# KiCad board boatcontrol.kicad_pcb (continued)
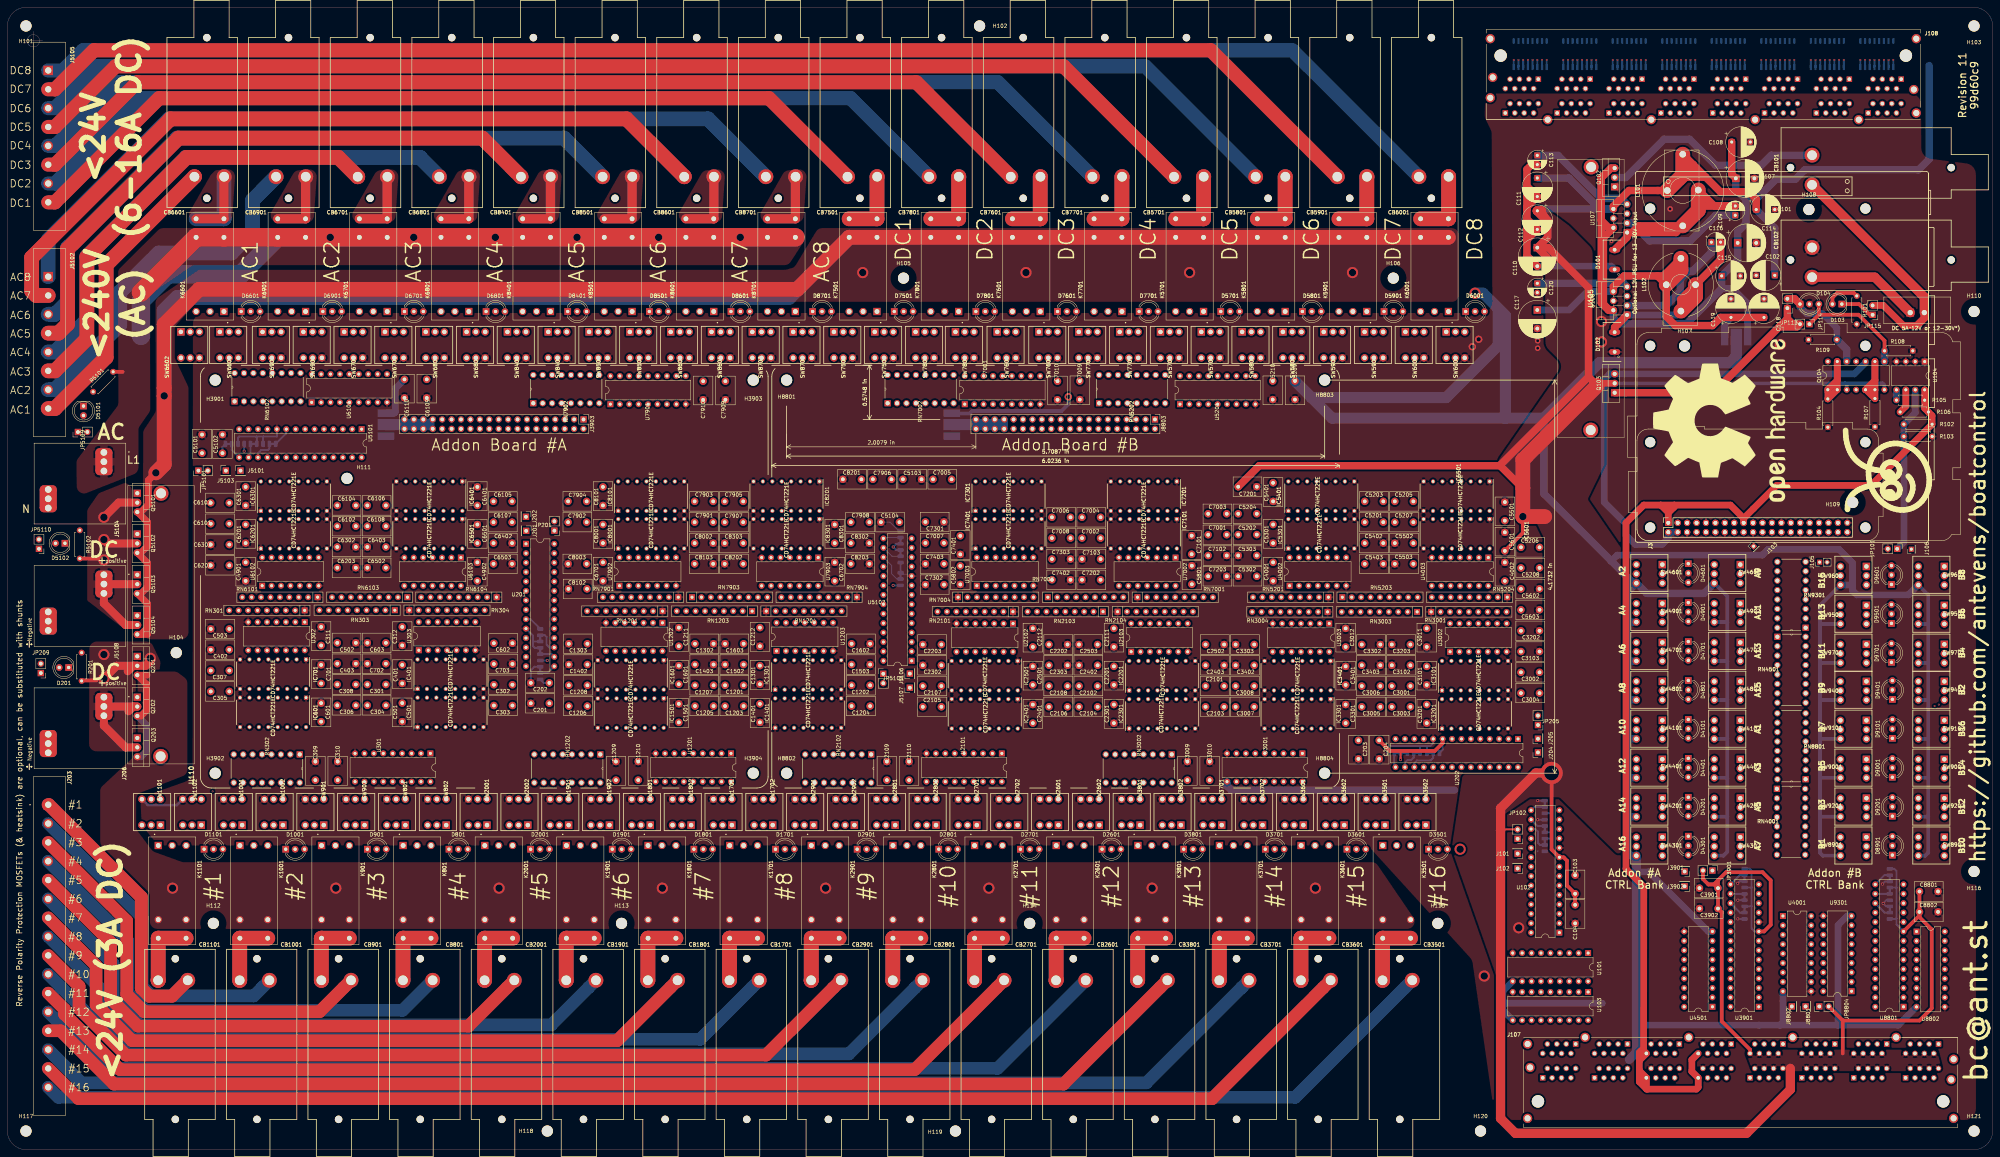
[diagram p0: board, top side]
## Routing (per net, layer and track width the routed paths; a pad name or vN(x,y) marks a point on that pad's centre or on a via; arc(x,y) is an arc through that point) (continued)
/Mixed 12V DC / 230V AC Common Bank/12V DC 6A Block/DIG_ON_C4: length 145.6
  In1.Cu w0.25: U4003.9 386.4,151.47 RN5204.9
  In2.Cu w0.25: RN5204.9 382.7,147.77 279.61,147.77 ; 279.61,147.77 279.38,147.77 ; 279.61,147.77 279.47,147.77 278.47,146.77 245.1,146.77 244.83,147.04 U5102.7
/Mixed 12V DC / 230V AC Common Bank/12V DC 6A Block/MultiVibrator6A1/MUX_OFF: length 298.7
  In1.Cu w0.25: v4(222.5,203) v4(212,192.5) ; v4(249.4,194.75) 252,194.75 253.85,192.9 264.2,192.9 264.8,193.5 264.8,195.25 265.2,195.65 267.1,195.65 267.35,195.9 267.35,197.85 268.75,199.25 312.21,199.25 313.9,200.94 313.9,201.85 314.45,202.4 317.14,202.4 U5201.2
  In2.Cu w0.25: v4(222.5,203) 223.15,203.65 228.52,203.65 233.12,199.05 245.36,199.05 248.29,196.12 248.88,196.12 249.4,195.6 v4(249.4,194.75) ; IC5301.5 354.45,161.17 354.45,159.21 353.03,157.79 343.19,157.79 341.85,156.45 339.88,156.45 338.01,158.32 322.73,158.32 320.23,155.83 317.33,155.83 316.95,156.21 305.29,156.21 305.05,155.97 299.72,155.97 298.99,156.7 260.67,156.7 258.75,154.78 246.89,154.78 245.52,156.14 245.52,165.78 243.53,167.78 243.53,170.22 239.37,174.37 230.69,174.37 227.95,177.11 227.95,181.66 224.56,185.05 219.45,185.05 v4(212,192.5)
/Mixed 12V DC / 230V AC Common Bank/12V DC 6A Block/MultiVibrator6A1/MUX_ON: length 311.4
  In1.Cu w0.25: U5201.1 314.67,201 312.42,198.75 270.5,198.75 269.9,198.15 269.9,195.85 269.7,195.65 267.81,195.65 267.35,195.19 267.35,193.2 266.55,192.4 253.64,192.4 252.04,194 v4(250,194) ; v4(221,203) v4(210.5,192.5)
  In2.Cu w0.25: v4(221,203) 222.15,204.15 228.73,204.15 228.8,204.1 233.35,199.55 245.57,199.55 248.5,196.62 249.11,196.62 250.03,195.71 250.03,194.38 250,194.35 v4(250,194) ; 352.82,170.02 352.82,166.97 356.95,162.85 356.95,159.17 355.07,157.29 343.4,157.29 342.06,155.95 339.67,155.95 337.8,157.82 322.93,157.82 320.44,155.33 317.12,155.33 316.74,155.71 305.49,155.71 305.26,155.47 299.52,155.47 298.79,156.2 260.88,156.2 258.95,154.28 246.68,154.28 245.02,155.93 245.02,165.58 243.03,167.57 243.03,170.01 239.16,173.87 230.48,173.87 227.45,176.91 227.45,181.46 224.35,184.55 218.45,184.55 v4(210.5,192.5)
/Mixed 12V DC / 230V AC Common Bank/12V DC 6A Block/MultiVibrator6A1/R1: length 46
  In1.Cu w0.25: IC5301.14 351.41,171.15 356.12,171.15 356.62,171.65 356.62,173.13 v4(357.4,173.91) ; v4(363.78,164.03) 364.22,163.59 364.22,161.36 363.79,160.93 363.03,160.93 362.47,160.37 362.47,157.66 363.53,156.6 363.53,152.79 RN5203.4
  In2.Cu w0.25: v4(363.78,164.03) 363.78,167.17 C5201.1 365.8,171.35 362.8,174.35 357.84,174.35 v4(357.4,173.91)
/Mixed 12V DC / 230V AC Common Bank/12V DC 6A Block/MultiVibrator6A1/R2: length 46.3
  In1.Cu w0.25: v4(362.9,156.3) 362.9,150.88 RN5203.3 ; v4(357.5,168.1) 357.33,167.93 350.47,167.93 349.47,166.93 337.79,166.93 C5202.1 ; 357.9,162.08 359.6,160.39 v4(359.6,156.3)
  In2.Cu w0.25: v4(357.5,168.1) 358.47,167.13 358.47,162.65 357.9,162.08 ; v4(362.9,156.3) v4(359.6,156.3)
/Mixed 12V DC / 230V AC Common Bank/12V DC 6A Block/MultiVibrator6A1/RC1: length 28
  In1.Cu w0.25: IC5301.15 349,171.28 349,172.34 349.94,173.27 355.51,173.27 v4(356.15,173.91)
  In2.Cu w0.25: v4(356.15,173.91) 357.09,174.85 363.01,174.85 368.67,169.19 C5201.2
/Mixed 12V DC / 230V AC Common Bank/12V DC 6A Block/MultiVibrator6A1/RC2: length 38
  In1.Cu w0.25: C5202.2 333.08,167.21 336.62,167.21 339.33,169.93 341.76,169.93 343.26,168.43 356.9,168.43 357.2,168.73 360.27,168.73 v4(360.8,168.2)
  In2.Cu w0.25: 360.44,162.08 360.8,162.44 v4(360.8,168.2)
/Mixed 12V DC / 230V AC Common Bank/12V DC 6A Block/MultiVibrator6A2/MUX_OFF: length 320.5
  In1.Cu w0.25: v4(219.5,203) v4(209,192.5)
  In2.Cu w0.25: v4(219.5,203) 221.15,204.65 277.49,204.65 281.94,200.2 289.69,200.2 292.37,202.87 321.75,202.87 U5201.4 ; v4(209,192.5) 217.45,184.05 224.15,184.05 226.95,181.25 226.95,176.7 230.27,173.37 238.95,173.37 242.52,169.8 242.52,156.64 243.21,155.95 244.3,155.95 246.47,153.78 259.16,153.78 261.09,155.7 298.58,155.7 299.31,154.97 305.47,154.97 305.7,155.21 316.53,155.21 316.91,154.83 320.65,154.83 323.14,157.32 337.6,157.32 339.46,155.45 342.27,155.45 343.61,156.79 355.28,156.79 356.64,158.15 359.1,158.15 359.5,158.55 359.5,160.16 359.2,160.46 359.2,167.33 357.8,168.73 357.2,168.73 356.6,169.32 356.6,171 IC5401.5
/Mixed 12V DC / 230V AC Common Bank/12V DC 6A Block/MultiVibrator6A2/MUX_ON: length 317.9
  In1.Cu w0.25: 264.4,195.65 264.37,195.62 ; 264.4,195.65 264.8,196.05 v4(264.8,197.8) ; 264.4,195.65 264.37,195.62 ; 264.37,195.62 249.23,195.62 249.03,195.43 v4(248.68,195.43) 248.65,195.4 ; v4(224,203) v4(213.5,192.5)
  In2.Cu w0.25: U5201.3 319.71,202.37 314.52,202.37 313.95,201.8 313.95,200.35 312.97,199.37 266.37,199.37 v4(264.8,197.8) ; v4(248.68,195.43) 248.28,195.43 245.15,198.55 232.91,198.55 228.51,202.95 228.5,202.95 228.46,203 v4(224,203) ; 322.93,158.83 322.94,158.82 ; 322.94,158.82 338.22,158.82 340.09,156.95 341.64,156.95 342.98,158.29 346.19,158.29 346.73,158.83 346.73,172.75 347.53,173.55 350.9,173.55 352.82,175.48 352.82,180.17 ; 322.94,158.82 319.87,158.82 319.86,158.83 318.18,158.83 316.06,156.71 305.08,156.71 304.85,156.47 ; 304.85,156.47 299.93,156.47 299.2,157.2 260.46,157.2 258.54,155.28 247.1,155.28 246.02,156.35 246.02,164.47 249.5,167.95 249.5,169.45 246.63,172.32 243.63,172.32 238.08,177.87 236.97,177.87 235.37,179.47 235.37,182.63 232.53,185.47 232.53,185.55 220.45,185.55 v4(213.5,192.5) ; 304.85,156.47 300,156.47
/Mixed 12V DC / 230V AC Common Bank/12V DC 6A Block/MultiVibrator6A2/R1: length 61.9
  In1.Cu w0.25: v4(372.35,170.98) v4(372.35,165.65)
  In2.Cu w0.25: v4(372.35,165.65) 372.35,154.15 368.5,150.3 363.64,150.3 RN5203.2 ; v4(372.35,170.98) 372.35,175.29 371.24,176.4 368.81,176.4 367.21,174.8 C5203.1 365.8,178.75 363.44,181.11 351.23,181.11 IC5401.14
/Mixed 12V DC / 230V AC Common Bank/12V DC 6A Block/MultiVibrator6A2/R2: length 55.2
  In1.Cu w0.25: 357.9,172.23 356.6,170.93 356.6,169.4 356.13,168.93 343.47,168.93 341.97,170.43 337.72,170.43 C5204.1 ; RN5203.5 368.73,150.13 366.9,150.13 364.03,153 364.03,156.81 362.97,157.87 362.97,159.51 363.38,159.92 v4(363.38,160.28)
  In2.Cu w0.25: v4(363.38,160.28) 361.92,161.73 361.92,167.62 361.93,167.62 361.93,169.93 360.76,171.1 359.04,171.1 357.9,172.23
/Mixed 12V DC / 230V AC Common Bank/12V DC 6A Block/MultiVibrator6A2/RC1: length 32.2
  In1.Cu w0.25: v4(355.07,173.9) 347.15,173.9 v4(347.05,174)
  In2.Cu w0.25: C5203.2 369.42,173.42 365.14,173.42 363.21,175.35 356.52,175.35 v4(355.07,173.9) ; v4(347.05,174) 347.75,174.69 IC5401.15
/Mixed 12V DC / 230V AC Common Bank/12V DC 6A Block/MultiVibrator6A2/RC2: length 33.9
  In1.Cu w0.25: 360.44,172.23 360.44,173.91 359.22,175.13 345.59,175.13 342.11,171.65 v4(341.4,171.65)
  In2.Cu w0.25: C5204.2 333.5,169.65 337.65,169.65 339.65,171.65 v4(341.4,171.65)
/Mixed 12V DC / 230V AC Common Bank/12V DC 6A Block/MultiVibrator6A3/MUX_OFF: length 379.4
  In1.Cu w0.25: 389.3,180.16 IC5501.5 v4(389.29,174.13) ; v4(216.5,203) v4(206,192.5)
  In2.Cu w0.25: U5201.6 325.83,203.87 289.01,203.87 288.06,204.82 278.76,204.82 277.93,205.65 219.15,205.65 v4(216.5,203) ; v4(206,192.5) 215.45,183.05 219.18,183.05 229.86,172.37 236.03,172.37 239.02,169.38 239.02,168.53 241.45,166.1 241.45,166.05 241.52,166.03 241.5,156.8 241.5,156.25 242.02,155.72 242.02,153.89 242.52,153.39 242.52,151.56 243.18,150.9 245.69,150.9 246.47,150.13 258.38,150.13 259.75,151.5 259.75,152.95 261.5,154.7 278.42,154.7 280.84,152.27 295.26,152.27 296.69,153.71 305.69,153.71 306.19,154.21 316.12,154.21 316.5,153.83 322.27,153.83 322.88,153.22 324.32,153.22 327.42,156.32 337.18,156.32 338.08,155.42 338.08,153.62 339.9,151.8 341.54,151.8 345.53,155.79 354.77,155.79 355.39,155.17 366.48,155.17 367.7,156.39 367.7,164.19 370.82,167.31 386.44,167.31 387.33,166.43 390.7,166.43 393.15,168.88 393.15,172.3 391.31,174.13 v4(389.29,174.13)
/Mixed 12V DC / 230V AC Common Bank/12V DC 6A Block/MultiVibrator6A3/MUX_ON: length 357.9
  In1.Cu w0.25: v4(207.5,192.5) v4(218,203)
  In2.Cu w0.25: IC5501.13 390.88,171.29 390.88,167.32 390.49,166.93 387.54,166.93 386.65,167.81 370.61,167.81 367.2,164.4 367.2,164.35 367.18,156.58 366.27,155.67 355.6,155.67 354.98,156.29 343.81,156.29 342.47,154.95 339.26,154.95 337.39,156.82 323.35,156.82 320.85,154.33 316.7,154.33 316.32,154.71 305.91,154.71 305.67,154.47 305.62,154.47 299.1,154.47 298.37,155.2 261.29,155.2 259.25,153.16 259.25,152.81 257.23,150.79 246.81,150.79 244.2,153.4 243.22,153.4 242.52,154.1 242.52,155.93 242.02,156.43 242.02,169.6 238.75,172.87 230.07,172.87 219.39,183.55 216.45,183.55 v4(207.5,192.5) ; U5201.5 323.79,203.37 292.16,203.37 289.49,200.7 282.15,200.7 277.7,205.15 220.15,205.15 v4(218,203)
/Mixed 12V DC / 230V AC Common Bank/12V DC 6A Block/MultiVibrator6A3/R1: length 44
  In1.Cu w0.25: C5205.1 378.9,173.39 376.78,171.26 v4(376.78,163.13)
  In2.Cu w0.25: RN5203.7 376.78,150.74 v4(376.78,163.13) ; C5205.1 391.8,174.8 IC5501.14
/Mixed 12V DC / 230V AC Common Bank/12V DC 6A Block/MultiVibrator6A3/R2: length 72.2
  In1.Cu w0.25: RN5203.6 375.28,151.78 375.28,157.88 380.63,163.23 380.63,173.7 381.65,174.72 v4(381.65,178.52) ; v4(388.45,176.75) 386.75,178.46 IC5501.6
  In2.Cu w0.25: v4(388.45,176.75) 396.9,176.75 398.5,175.15 398.5,169.16 402.58,165.08 405.22,165.08 C5206.1 ; IC5501.6 385.09,178.52 v4(381.65,178.52)
/Mixed 12V DC / 230V AC Common Bank/12V DC 6A Block/MultiVibrator6A3/RC1: length 25.8
  In2.Cu w0.25: C5205.2 375.97,176.87 385.78,176.87 387.35,175.3 393.83,175.3 396.9,172.23
/Mixed 12V DC / 230V AC Common Bank/12V DC 6A Block/MultiVibrator6A3/RC2: length 42
  In1.Cu w0.25: IC5501.7 384.2,179.37 v4(387.28,176.3)
  In2.Cu w0.25: v4(387.28,176.3) 387.53,176.05 396.89,176.05 398,174.94 398,168.96 402.38,164.58 405.02,164.58 406.52,163.07 406.52,161.68 407.18,161.02 411.52,161.02 C5206.2
/Mixed 12V DC / 230V AC Common Bank/12V DC 6A Block/MultiVibrator6A4/MUX_OFF: length 378.2
  In1.Cu w0.25: v4(385.95,166.15) 385.95,167.14 388.83,170.02 IC5601.5 ; v4(213.53,203.03) v4(203,192.5) ; v4(238.65,148.28) 238.65,148.85 237.26,150.25 237.26,165.16 v4(237.9,165.8)
  In2.Cu w0.25: U5201.8 329.91,204.87 289.43,204.87 288.48,205.82 279.17,205.82 278.35,206.65 217.15,206.65 v4(213.53,203.03) 213.5,203 ; v4(203,192.5) 213.45,182.05 218.77,182.05 229.45,171.37 235.62,171.37 237.9,169.09 v4(237.9,165.8) ; v4(385.95,166.15) 385.6,166.15 385.47,166.28 371.2,166.28 368.7,163.78 368.7,155.98 366.9,154.17 354.97,154.17 354.36,154.79 346.01,154.79 342.02,150.8 339.49,150.8 337.56,152.72 333.23,152.72 331.08,150.57 318.33,150.57 315.7,153.21 306.61,153.21 306.1,152.7 306.1,152.69 305.9,152.49 305.9,151.55 304.7,150.35 296.97,150.35 296.05,151.27 278.76,151.27 278.41,150.92 278.41,148.13 277.55,147.27 246.1,147.27 245.09,148.28 v4(238.65,148.28)
/Mixed 12V DC / 230V AC Common Bank/12V DC 6A Block/MultiVibrator6A4/MUX_ON: length 374.8
  In1.Cu w0.25: v4(215,203) v4(204.5,192.5) ; v4(238.52,166.42) 238.52,165.5 237.76,164.73 237.76,150.9 v4(238.96,149.7) ; v4(245.44,149.18) 244.68,148.41 243.19,148.41 v4(241.96,149.62)
  In2.Cu w0.25: v4(215,203) 218.15,206.15 278.14,206.15 278.96,205.32 288.27,205.32 289.22,204.37 327.87,204.37 U5201.7 ; v4(204.5,192.5) 214.45,182.55 218.97,182.55 229.65,171.87 235.83,171.87 238.52,169.18 v4(238.52,166.42) ; IC5601.13 391.82,165.2 391.1,165.93 387.12,165.93 386.24,166.81 371.03,166.81 368.2,163.99 368.2,156.19 366.69,154.67 355.18,154.67 354.57,155.29 345.73,155.29 341.74,151.3 339.69,151.3 337.77,153.22 333.02,153.22 330.87,151.07 318.54,151.07 315.91,153.71 306.4,153.71 305.9,153.21 296.9,153.21 295.47,151.77 278.5,151.77 277.91,151.18 277.91,148.61 277.08,147.78 277.08,147.77 246.85,147.77 v4(245.44,149.18) ; v4(238.96,149.7) 239.04,149.62 v4(241.96,149.62)
/Mixed 12V DC / 230V AC Common Bank/12V DC 6A Block/MultiVibrator6A4/R1: length 37.4
  In1.Cu w0.25: C5207.1 378.9,166.65 v4(380,165.55) ; v4(390.8,165.3) 391.15,165.3 IC5601.14
  In2.Cu w0.25: 380.25,165.3 v4(390.8,165.3) ; 380.25,165.3 380.28,165.27 380.28,151.7 RN5203.8 ; 380.25,165.3 v4(380,165.55)
/Mixed 12V DC / 230V AC Common Bank/12V DC 6A Block/MultiVibrator6A4/R2: length 56.3
  In1.Cu w0.25: IC5601.6 386.75,168.65 385.25,167.15 v4(385.25,164.5) ; v4(393.45,168.05) 390.4,168.05 v4(390,168.45)
  In2.Cu w0.25: C5208.1 409.23,160.52 406.97,160.52 406.02,161.47 406.02,162.86 404.81,164.08 402.17,164.08 398.2,168.05 v4(393.45,168.05) ; v4(385.25,164.5) 385.23,164.5 382.95,162.22 382.95,161.15 382.61,160.81 382.61,152.62 380.07,150.08 RN5203.9 ; v4(390,168.45) 389.52,168.93 387.84,168.93 IC5601.6
/Mixed 12V DC / 230V AC Common Bank/12V DC 6A Block/MultiVibrator6A4/RC1: length 32.6
  In1.Cu w0.25: v4(388.1,167.65) 388.1,161.75 388.9,160.95 v4(392.82,160.95)
  In2.Cu w0.25: 386.86,168.31 383.89,168.31 382.9,169.3 382.9,170.4 382.15,171.15 375.86,171.15 C5207.2 ; 386.86,168.31 386.99,168.31 387.65,167.65 v4(388.1,167.65) ; 386.86,168.31 386.89,168.31 ; 396.9,162.08 395.77,160.95 v4(392.82,160.95)
/Mixed 12V DC / 230V AC Common Bank/12V DC 6A Block/MultiVibrator6A4/RC2: length 31.2
  In1.Cu w0.25: v4(389.24,167.81) 390.05,167 v4(392.45,167)
  In2.Cu w0.25: C5208.2 407.9,158.89 405.52,161.26 405.52,162.65 404.6,163.58 401.96,163.58 398.54,167 v4(392.45,167) ; IC5601.7 385.41,168.81 387.19,168.81 387.71,168.3 388.75,168.3 v4(389.24,167.81)
/Mixed 12V DC / 230V AC Common Bank/12V DC 6A Block/OUT_C1: length 385.8
  Bottom w3.8: CB6001.P2 346.31,296.44 20.37,296.44 14.93,291 J5105.1
/Mixed 12V DC / 230V AC Common Bank/12V DC 6A Block/OUT_C2: length 365.9
  Top w3.8: CB5901.P2 324.31,296.44 23.33,296.44 12.8,285.92 J5105.2
/Mixed 12V DC / 230V AC Common Bank/12V DC 6A Block/OUT_C3: length 342.4
  Bottom w3.8: CB5801.P2 306.62,292.13 24.1,292.13 12.8,280.84 J5105.3
/Mixed 12V DC / 230V AC Common Bank/12V DC 6A Block/OUT_C4: length 322.5
  Top w3.8: CB5701.P2 284.62,292.13 29.18,292.13 12.8,275.76 J5105.4
/Mixed 12V DC / 230V AC Common Bank/12V DC 10/16A Block/10AC1/DISABLED_INDICATOR: length 12.4
  In1.Cu w1: SW7701.3 303,222.25 295.5,222.25 SW7702.3
/Mixed 12V DC / 230V AC Common Bank/12V DC 10/16A Block/10AC1/OFF: length 27.7
  In2.Cu w0.25: SW7701.4 297.04,213.5 291.45,207.91 290.38,207.91 288.29,210 277.16,210 U7001.11
/Mixed 12V DC / 230V AC Common Bank/12V DC 10/16A Block/10AC1/OFF_COIL: length 55.1
  In1.Cu w0.25: RN7002.10 253.67,210.1 255.58,210.1 256.5,209.18 256.5,208.38 258.44,206.44 270.26,206.44 272.06,208.25 272.06,209.89 273.8,211.62 283.87,211.62 291.25,219.01 SW7702.2
  In2.Cu w1: K7701.8 291.25,224.4 SW7702.2
/Mixed 12V DC / 230V AC Common Bank/12V DC 10/16A Block/10AC1/OFF_LED: length 71.6
  In1.Cu w0.25: D7701.3 308.4,224.32 308.4,213.69 305.31,210.6 285.74,210.6 284.71,209.57 283.13,209.57 279.51,205.94 272.59,205.94 271.09,204.44 258.18,204.44 RN7002.8
/Mixed 12V DC / 230V AC Common Bank/12V DC 10/16A Block/10AC1/OFF_TO_ON: length 29.5
  In1.Cu w1: SW7702.1 288.75,220.59 291.66,223.5 304.34,223.5 306.5,221.34 306.5,217.84 302.25,213.59 SW7701.5
/Mixed 12V DC / 230V AC Common Bank/12V DC 10/16A Block/10AC1/ON: length 17.5
  In2.Cu w0.25: U7001.12 274.04,208.62 277.55,212.12 287.37,212.12 SW7702.4
/Mixed 12V DC / 230V AC Common Bank/12V DC 10/16A Block/10AC1/ON_COIL: length 61.6
  In1.Cu w0.25: RN7002.9 257.94,205.94 270.47,205.94 271.97,207.44 278.88,207.44 282.56,211.12 284.07,211.12 285.05,212.1 295.26,212.1 302.25,219.09 SW7701.2
  In2.Cu w1: SW7701.2 302.25,224.1 K7701.1
/Mixed 12V DC / 230V AC Common Bank/12V DC 10/16A Block/10AC1/ON_LED: length 74
  In1.Cu w0.25: D7701.1 305,224.85 307.9,221.95 307.9,213.89 305.11,211.1 285.54,211.1 284.51,210.07 282.92,210.07 279.3,206.44 272.39,206.44 270.89,204.94 256.14,204.94 RN7002.7
/Mixed 12V DC / 230V AC Common Bank/12V DC 10/16A Block/10AC1/ON_TO_OFF: length 11.4
  In1.Cu w1: SW7702.5 298.25,220.5 SW7701.1
/Mixed 12V DC / 230V AC Common Bank/12V DC 10/16A Block/10AC1/TO_FUSE: length 37.7
  Top w2.5: 300.35,262.3 CB7701.P1
  Top w4: K7701.5 K7701.4 300.35,262.3
  Bottom w4: CB7701.P1 300.35,262.3 K7701.4 K7701.5
/Mixed 12V DC / 230V AC Common Bank/12V DC 10/16A Block/10AC2/DISABLED_INDICATOR: length 12.7
  In1.Cu w1: SW7602.3 273.5,222.25 281.25,222.25 SW7601.3
/Mixed 12V DC / 230V AC Common Bank/12V DC 10/16A Block/10AC2/OFF: length 9.3
  In2.Cu w0.25: SW7601.4 276.12,211.62 273.7,211.62 U7001.13
/Mixed 12V DC / 230V AC Common Bank/12V DC 10/16A Block/10AC2/OFF_COIL: length 33.7
  In2.Cu w0.25: SW7602.2 269.25,219.09 267.1,216.94 256.56,216.94 250.67,211.05 249.54,211.05 RN7002.12
  In2.Cu w1: SW7602.2 269.25,224.4 K7601.8
/Mixed 12V DC / 230V AC Common Bank/12V DC 10/16A Block/10AC2/OFF_LED: length 91.5
  In1.Cu w0.25: RN7002.6 254.1,205.44 270.68,205.44 272.18,206.94 279.09,206.94 282.72,210.57 284.3,210.57 285.33,211.6 304.88,211.6 307.39,214.1 307.4,214.1 307.38,214.09 307.38,221.7 304.7,224.38 289.7,224.38 D7601.3
/Mixed 12V DC / 230V AC Common Bank/12V DC 10/16A Block/10AC2/OFF_TO_ON: length 29.8
  In1.Cu w1: SW7602.1 266.75,220.59 269.66,223.5 282.59,223.5 284.75,221.34 284.75,217.75 SW7601.5
/Mixed 12V DC / 230V AC Common Bank/12V DC 10/16A Block/10AC2/ON: length 5.5
  In1.Cu w0.25: SW7602.4 266.75,210.03 U7001.14
/Mixed 12V DC / 230V AC Common Bank/12V DC 10/16A Block/10AC2/ON_COIL: length 42.6
  In2.Cu w0.25: SW7601.2 280.5,219.09 273.54,212.12 253.16,212.12 RN7002.11
  In2.Cu w1: K7601.1 280.5,223.85 SW7601.2
/Mixed 12V DC / 230V AC Common Bank/12V DC 10/16A Block/10AC2/ON_LED: length 64.8
  In1.Cu w0.25: D7601.1 283,224.85 285.63,222.22 285.63,214.09 283.66,212.12 272.47,212.12 269.52,209.18 269.52,208.06 268.41,206.94 260.48,206.94 259.36,208.06 259.36,209.04 257.8,210.6 249.84,210.6 248.71,209.47 248.71,203.78 247.38,202.45 RN7002.5
/Mixed 12V DC / 230V AC Common Bank/12V DC 10/16A Block/10AC2/ON_TO_OFF: length 11.6
  In1.Cu w1: SW7602.5 276.25,220.5 SW7601.1
/Mixed 12V DC / 230V AC Common Bank/12V DC 10/16A Block/10AC2/TO_FUSE: length 37.7
  Top w2.5: 278.35,262.3 CB7601.P1
  Top w4: K7601.5 K7601.4 278.35,262.3
  Bottom w4: K7601.5 K7601.4 278.35,262.3 CB7601.P1
/Mixed 12V DC / 230V AC Common Bank/12V DC 10/16A Block/16AC1/DISABLED_INDICATOR: length 12.2
  In1.Cu w1: SW7802.3 251.5,222.25 258.75,222.25 SW7801.3
/Mixed 12V DC / 230V AC Common Bank/12V DC 10/16A Block/16AC1/OFF: length 12.1
  In1.Cu w0.25: U7001.15 262.12,212.12 256.88,212.12 SW7801.4
/Mixed 12V DC / 230V AC Common Bank/12V DC 10/16A Block/16AC1/OFF_COIL: length 19.8
  In2.Cu w0.25: SW7802.2 247.25,219.09 242.3,214.14 RN7002.14
  In2.Cu w1: K7801.8 247.25,224.4 SW7802.2
/Mixed 12V DC / 230V AC Common Bank/12V DC 10/16A Block/16AC1/OFF_LED: length 53
  In1.Cu w0.25: D7801.3 263.25,223.17 263.25,212.82 266.8,209.28 266.8,208.06 266.18,207.44 262.52,207.44 261.9,208.06 261.9,208.99 259.77,211.12 247.82,211.12 246.17,209.47 246.17,202.59 RN7002.4
/Mixed 12V DC / 230V AC Common Bank/12V DC 10/16A Block/16AC1/OFF_TO_ON: length 29.3
  In1.Cu w1: SW7802.1 244.75,220.59 247.66,223.5 260.09,223.5 262.25,221.34 262.25,217.75 SW7801.5
/Mixed 12V DC / 230V AC Common Bank/12V DC 10/16A Block/16AC1/ON: length 20.4
  In1.Cu w0.25: U7001.16 260.08,211.62 246.63,211.62 SW7802.4
/Mixed 12V DC / 230V AC Common Bank/12V DC 10/16A Block/16AC1/ON_COIL: length 25
  In2.Cu w0.25: SW7801.2 258,219.09 250.46,211.55 247.5,211.55 RN7002.13
  In2.Cu w1: K7801.1 258,224.35 SW7801.2
/Mixed 12V DC / 230V AC Common Bank/12V DC 10/16A Block/16AC1/ON_LED: length 40.5
  In1.Cu w0.25: D7801.1 259.85,226 258.23,224.38 245.95,224.38 243.37,221.8 243.37,209.63 243.51,209.49 243.51,202.48 RN7002.3
/Mixed 12V DC / 230V AC Common Bank/12V DC 10/16A Block/16AC1/ON_TO_OFF: length 11.1
  In1.Cu w1: SW7802.5 254.25,220.5 SW7801.1
/Mixed 12V DC / 230V AC Common Bank/12V DC 10/16A Block/16AC1/TO_FUSE: length 37.7
  Top w2.5: 256.35,262.3 CB7801.P1
  Top w4: 256.35,262.3 K7801.4 K7801.5
  Bottom w4: CB7801.P1 256.35,262.3 K7801.4 K7801.5
/Mixed 12V DC / 230V AC Common Bank/12V DC 10/16A Block/16AC2/DISABLED_INDICATOR: length 12.4
  In1.Cu w1: SW7502.3 229.5,222.25 237,222.25 SW7501.3
/Mixed 12V DC / 230V AC Common Bank/12V DC 10/16A Block/16AC2/OFF: length 32
  In2.Cu w0.25: SW7501.4 235.13,212.12 235.78,212.12 238.5,209.4 238.5,208.35 239.18,207.67 255.88,207.67 256.5,208.3 256.5,209.45 257,209.95 259.21,209.95 U7001.17
/Mixed 12V DC / 230V AC Common Bank/12V DC 10/16A Block/16AC2/OFF_COIL: length 23.8
  In2.Cu w0.25: RN7002.16 235.45,208.89 225.25,219.09 SW7502.2
  In2.Cu w1: SW7502.2 225.25,224.4 K7501.8
/Mixed 12V DC / 230V AC Common Bank/12V DC 10/16A Block/16AC2/OFF_LED: length 26.5
  In1.Cu w0.25: D7501.3 242.7,224.62 242.7,211.08 240.97,209.36 240.97,202.48 RN7002.2
/Mixed 12V DC / 230V AC Common Bank/12V DC 10/16A Block/16AC2/OFF_TO_ON: length 29.5
  In1.Cu w1: SW7501.5 240.5,217.75 240.5,221.34 238.34,223.5 225.66,223.5 222.75,220.59 SW7502.1
/Mixed 12V DC / 230V AC Common Bank/12V DC 10/16A Block/16AC2/ON: length 38.5
  In2.Cu w0.25: U7001.18 256.55,207.17 229.08,207.17 SW7502.4
/Mixed 12V DC / 230V AC Common Bank/12V DC 10/16A Block/16AC2/ON_COIL: length 20
  In2.Cu w0.25: SW7501.2 240.6,216.15 240.6,209.72 RN7002.15
  In2.Cu w1: SW7501.2 236.25,224.1 K7501.1
/Mixed 12V DC / 230V AC Common Bank/12V DC 10/16A Block/16AC2/ON_LED: length 27.5
  In1.Cu w0.25: D7501.1 239,224.85 241.38,222.47 241.38,214.09 238.55,211.26 238.6,211.2 238.55,211.15 238.55,206.35 237.22,205.02 RN7002.1
/Mixed 12V DC / 230V AC Common Bank/12V DC 10/16A Block/16AC2/ON_TO_OFF: length 11.4
  In1.Cu w1: SW7502.5 232.25,220.5 SW7501.1
/Mixed 12V DC / 230V AC Common Bank/12V DC 10/16A Block/16AC2/TO_FUSE: length 37.7
  Top w2.5: 234.35,262.3 CB7501.P1
  Top w4: 234.35,262.3 K7501.4 K7501.5
  Bottom w4: K7501.5 K7501.4 234.35,262.3 CB7501.P1
/Mixed 12V DC / 230V AC Common Bank/12V DC 10/16A Block/DIG_OFF_C1: length 94.5
  In1.Cu w0.25: U7002.4 308.46,158.37 308.46,151.55 309.38,150.63 312.23,150.63 313.34,149.52 314.14,149.52 RN7001.5 ; v4(242.06,150.85) 244.5,150.85 245.35,151.7 245.35,153.19 v4(248.22,156.06) ; v4(237.81,148.77) U5102.22
  In2.Cu w0.25: U7002.4 306,158.47 304.17,158.47 303.67,157.97 295.58,157.97 295.3,157.7 260.26,157.7 258.33,155.78 248.5,155.78 v4(248.22,156.06) ; v4(237.81,148.77) 237.81,150.67 237.99,150.85 v4(242.06,150.85)
/Mixed 12V DC / 230V AC Common Bank/12V DC 10/16A Block/DIG_OFF_C2: length 100.1
  In1.Cu w0.25: RN7001.6 315.07,146.77 290.17,146.77 288.82,145.42 288.82,144.39 284.83,140.4 284.6,140.4 v4(284.35,140.15)
  In2.Cu w0.25: U7002.12 309.72,150.9 310.37,150.25 315.95,150.25 RN7001.6 ; U5102.24 239.09,141.96 242.9,138.15 244.17,138.15 244.88,138.86 244.88,139.81 246.94,141.87 252.06,141.87 254.34,139.59 275.36,139.59 275.82,139.13 276.96,139.13 277.79,139.95 284.15,139.95 v4(284.35,140.15)
/Mixed 12V DC / 230V AC Common Bank/12V DC 10/16A Block/DIG_OFF_C3: length 55.6
  In1.Cu w0.25: RN7004.6 266.68,146.73 253.38,146.73 252.53,147.58 252.53,148.75 252.2,149.08 251.27,149.08 248.55,146.35 248.55,142.4 v4(250.25,140.7)
  In2.Cu w0.25: U7003.4 268.87,148.98 RN7004.6 ; U5102.26 239.91,133.05 248.04,133.05 249.4,134.41 249.4,139.5 250.25,140.35 v4(250.25,140.7)
/Mixed 12V DC / 230V AC Common Bank/12V DC 10/16A Block/DIG_OFF_C4: length 61.5
  In1.Cu w0.25: v4(247.76,133.7) 244.26,130.2 242.7,130.2 v4(241.9,131) ; U7003.12 266.33,155.27 v4(267.6,154) ; v4(249.3,140.73) 248.05,141.97 248.05,146.56 251.07,149.58 252.41,149.58 253.03,148.96 253.03,147.79 253.59,147.23 264.64,147.23 RN7004.5
  In2.Cu w0.25: v4(267.6,154) 267.6,150.19 RN7004.5 ; U5102.28 241.1,131.8 v4(241.9,131) ; v4(249.3,140.73) 249.3,140.37 248.9,139.97 248.9,134.84 v4(247.76,133.7)
/Mixed 12V DC / 230V AC Common Bank/12V DC 10/16A Block/DIG_ON_C1: length 117.3
  In1.Cu w0.25: U7002.1 314.8,157.5 313.5,156.2 313.5,151.25 314.3,150.45 317.85,150.45 318.5,149.8 318.5,148.5 320.1,146.9 321.8,146.9 v4(322.64,146.06) 322.65,146.05 323.1,146.05 324.87,147.82 RN7001.9
  In2.Cu w0.25: U5102.21 237.26,148.41 237.26,146.5 240.53,143.23 244.17,143.23 244.81,143.87 283.13,143.87 283.15,143.9 ; 283.15,143.9 283.93,144.68 283.93,145.61 284.59,146.27 321.23,146.27 321.44,146.06 v4(322.64,146.06) ; 283.15,143.9 283.15,143.88
/Mixed 12V DC / 230V AC Common Bank/12V DC 10/16A Block/DIG_ON_C2: length 83.7
  In1.Cu w0.25: U7002.9 302.1,147.33 302.15,147.27 ; v4(285.65,143) 286.35,143.7 286.35,145.5 287.08,146.23 288.91,146.23 289.96,147.27 302.15,147.27 ; 302.15,147.27 305.37,147.27 306.25,148.15 306.29,148.15 RN7001.2
  In2.Cu w0.25: 272.55,140.6 274.82,142.87 285.52,142.87 v4(285.65,143) ; 272.55,140.6 254.75,140.6 252.48,142.87 246.52,142.87 244.35,140.7 241.06,140.7 237.26,144.5 U5102.23 ; 272.55,140.6 272.55,140.6
/Mixed 12V DC / 230V AC Common Bank/12V DC 10/16A Block/DIG_ON_C3: length 40.7
  In1.Cu w0.25: v4(247.65,140.55) 247.05,141.15 247.05,146.97 250.65,150.58 252.82,150.58 253.2,150.2 257.49,150.2 RN7004.2
  In2.Cu w0.25: RN7004.2 261.25,151.46 U7003.1 ; U5102.25 239.85,135.65 244.21,135.65 245.15,136.59 245.15,137.62 247.65,140.12 v4(247.65,140.55)
